# Allegro board RK3588_Template_LP4XD200P232SD8_41R0X41R0_2133MHz_H1R0_V11_20220216.brd (continued)
## Routing (per net, layer and track width the routed paths; a pad name or vN(x,y) marks a point on that pad's centre or on a via; arc(x,y) is an arc through that point) (continued)
VCC1V8_PMU_DDR_S3: length 46.2
  TOP w0.104: v2(88.01,114.05) 88.14,114.05 88.65,113.54 R2211.1 ; v1(99.57,111) v1(98.93,111) 98.15,111 R2210.1 98.06,111.63 v1(98.93,111.63) v1(99.57,111.63)
  TOP w0.254: v1(64.49,33.88) U3801.F1 ; U3801.F12 64.82,24.46 v1(64.69,24.33) ; v1(64.55,26.78) U3801.G9 ; U3800.F12 84.34,53.4 v1(84.67,53.08) ; U3800.G9 82.31,53.12 v1(82.36,53.12) ; v1(58.67,35.41) 58.67,35.2 57.99,34.52 57.99,34.34 57.96,34.31 57.96,33.85 U3801.U1 ; v1(82.26,46.58) 81.94,46.9 U3800.T9 ; U3801.T4 57.92,30.75 v1(57.92,30.74) ; U3800.T4 v1(78.33,46.51) ; v1(84.68,45.92) U3800.U12 ; U3800.U1 75.22,45.94 v1(75.2,45.94) ; v1(57.66,23.88) 57.63,23.9 57.63,24.71 U3801.U12 ; v1(50.01,49.33) U1000.N28 ; U3801.G4 v1(63.83,30.81) ; v1(50.01,51.28) U1000.R27 ; U3800.G4 v1(78.25,53.07) ; U3801.T9 v1(57.94,26.77) ; U3800.F1 v1(75.22,53.72)
  TOP w0.381: v1(98.93,111) v1(98.93,111.63)
  L3-POWER1 w0.104: 102.23,79.5 v2(102.23,79.63)
  L6-S2 w0.089: 49.66,50.42 49.78,50.29 49.78,50.18 49.71,50.11 49.71,49.73 49.66,49.69 v1(50.01,49.33) 50.04,49.35 50.04,49.56 50.32,49.85 50.32,50.11 50.04,50.39 50.04,50.67
  L6-S2 w0.178: 46.33,50.14 46.53,50.34 49.21,50.34 49.21,50.35 49.33,50.35 49.42,50.44 49.42,50.52 49.56,50.65 49.64,50.65 49.66,50.67
  L6-S2 w0.381: 46.33,50.14 44.09,50.14 43.48,50.76 42.84,50.76 42.66,50.94 38.73,50.94
  BOTTOM w0.089: C1107.1 49.65,50.2 49.69,50.17 49.69,49.65 v1(50.01,49.33)
  BOTTOM w0.104: v2(88.01,114.05) 88.14,113.92 88.14,113.54
  BOTTOM w0.254: C3852.1 58.52,35.25 v1(58.67,35.41) ; C3849.1 58.17,26.54 v1(57.94,26.77) ; C3847.1 63.76,30.74 v1(63.83,30.81) ; C3800.1 85.09,45.92 v1(84.68,45.92) ; C1107.1 49.65,50.92 v1(50.01,51.28) 50.02,51.28 C1112.1 ; C3805.1 81.86,46.58 v1(82.26,46.58) ; v1(64.55,26.78) 64.67,26.9 C3851.1 ; C3808.1 82.27,53.12 v1(82.36,53.12) ; v1(84.67,53.08) 84.71,53.08 84.85,53.22 C3803.1 ; C3807.1 78.33,46.61 v1(78.33,46.51) ; v1(57.92,30.74) 57.92,30.43 C3850.1 ; v1(78.25,53.07) 78.22,53.03 78.22,52.67 C3802.1 ; C3806.1 v1(75.22,53.72) ; C3853.1 64.69,24.63 v1(64.69,24.33) ; C3804.1 75.16,45.97 v1(75.2,45.94) ; C3845.1 57.97,23.56 v1(57.66,23.88) ; C3848.1 64.67,34.06 v1(64.49,33.88)
  BOTTOM w0.381: C3846.1 65.02,24 v1(64.69,24.33) ; C3803.1 85.3,53.22 85.43,53.34 86.42,53.34 C3801.1
  vias: v1(88.14,79.12) v1(88.14,78.49) v1(88.77,79.12) v1(88.77,78.49) v2(87.25,114.05) v2(87.25,113.28) v2(88.01,113.28) v2(101.47,79.63) v2(101.47,78.87) v2(102.23,78.87)
VCC4V0_SYS: length 29.8
  TOP w0.089: 94.61,95.83 94.58,95.8 ; v2(87.88,94.84) v2(87.88,95.5) 87.28,95.5 87.28,95.5 v2(87.23,95.5) ; v2(87.88,102.49) 88.03,102.63 U2200.34
  TOP w0.203: U2301.E2 U2301.D2 U2301.D1 ; U2301.E2 36.92,13.08 37.21,13.08 37.34,12.95 ; U2301.E2 U2301.E1 ; U2303.D1 U2303.D2 U2303.E2 ; U2303.D1 70.78,79.39 70.89,79.5 ; U2303.D1 U2303.E1 ; 37.3,12.74 U2301.E1 ; U2301.E1 U2301.D1 ; U2301.E1 36.87,12.36 ; U2301.D1 36.47,12.34 ; U2200.33 88.66,103.11 88.52,103.25 ; 46.99,13.08 46.86,13.08 46.68,13.26 U2300.E2 ; U2300.E1 46.52,12.48 ; U2300.E1 U2300.E2 ; U2300.E1 U2300.D1 ; U2300.E1 46.83,12.86 ; U2300.D1 46.12,12.47 ; U2300.D1 U2300.D2 U2300.E2 ; U2200.28 90.41,103.19 v2(90.55,103.33) 90.76,103.12 U2200.27 ; U2200.22 92.51,103.18 v2(92.71,103.38) 92.86,103.22 U2200.21 ; 88.31,95.04 U2200.52 88.01,95.63 v2(87.88,95.5) ; 95.06,96.33 U2200.1 94.61,95.83 ; U2303.E1 70.85,79.79 70.89,79.76 ; U2303.E1 U2303.E2 ; U2303.E1 70.48,80.3 70.45,80.33 70.08,79.96 U2303.E2 ; U2200.53 88.66,95.14 ; U2200.34 88.31,103.2 88.27,103.25 ; v2(92.51,94.16) v2(92.51,94.81) U2200.64 ; U2200.44 87.06,98.78 v2(86.92,98.92) 87.13,99.13 U2200.43 ; U2200.54 89.01,95.14 ; v2(95.66,98.43) U2200.7
  TOP w0.254: v2(87.23,94.85) v2(87.23,95.5)
  TOP w0.381: v2(90.55,103.33) v2(90.55,103.99) v2(90.55,104.64) ; v2(86.92,98.92) v2(86.26,98.92) v2(85.61,98.92) ; v2(93.98,104.01) 93.52,104.01 v2(93.27,103.76) 92.89,103.38 v2(92.71,103.38) ; v2(96.32,98.43) v2(95.66,98.43)
  BOTTOM w0.104: v2(87.88,102.49) v2(87.88,103.14)
  vias: v1(108.33,115.57) v1(110.37,75.81) v1(112.9,118.11) v1(114.17,121.16) v1(114.81,121.16) v1(115.44,121.16) v1(116.08,121.16) v1(116.71,121.16) v2(38.16,11.88) v2(38.16,11.11) v2(38.16,10.35) v2(38.16,9.59) v2(38.16,8.83) v2(38.16,8.07) v2(38.93,11.88) v2(38.93,11.11) v2(38.93,10.35) v2(38.93,9.59) v2(38.93,8.83) v2(38.93,8.07) v2(47.82,12) v2(47.82,11.24) v2(47.82,10.48) v2(47.82,9.72) v2(47.82,8.96) v2(47.82,8.19) v2(48.58,12) v2(48.58,11.24) v2(48.58,10.48) v2(48.58,9.72) v2(48.58,8.96) v2(48.58,8.19) v2(70.45,81.85) v2(70.45,81.09) v2(71.21,81.85) v2(71.21,81.09) v2(71.21,80.33) v2(71.97,81.85) v2(71.97,81.09) v2(71.97,80.33) v2(72.73,81.85) v2(72.73,81.09) v2(72.73,80.33) v2(83.44,120.65) v2(83.44,119.89) v2(84.2,120.65) v2(84.2,119.89) v2(84.96,120.65) v2(84.96,119.89) v2(85.72,120.65) v2(85.72,119.89) v2(87.22,103.14) v2(87.22,102.49) v2(95.5,96.27) v2(95.5,95.61) v2(104.9,104.27) v2(104.9,103.5) v2(104.9,102.74) v2(105.66,104.27) v2(105.66,103.5) v2(105.66,102.74) v2(106.43,104.27) v2(106.43,103.5) v2(106.43,102.74)
VCC_1V1_NLDO_S3: length 9.8
  TOP w0.203: U2200.9 95.2,99.13 95.24,99.18 95.38,99.18 95.4,99.19 95.63,99.19 95.76,99.31 v1(95.79,99.31) ; U2200.13 95.13,100.53 95.53,100.93 v1(95.76,100.93)
  BOTTOM w0.254: v2(101.73,104.27) 101.73,105.03 102.74,106.04 C2320.1 R2305.1
  BOTTOM w0.508: v1(95.76,100.93) 95.64,100.93 C2263.1 C2270.1 95.45,99.31 v1(95.79,99.31)
  vias: v2(100.97,104.27) v2(100.97,103.51) v2(101.73,103.51) v2(102.49,104.27) v2(102.49,103.51)
VCC_1V8_S0: length 52.2
  TOP w0.089: 63.99,56.8 U1000.AD6
  TOP w0.152: 90.55,94.36 90.3,94.62 90.3,95.1 90.41,95.22 U2200.58
  TOP w0.254: v1(40.64,25.02) 41.02,25.02 41.28,25.28 R1903.1 R1904.1 ; v1(54.57,45.43) U1000.G20 v1(54.57,46.08) ; v1(63.66,56.48) U1000.AD7 v1(63.66,57.13) 63.99,56.8 v1(63.66,56.48) ; v1(63.66,56.48) U1000.AC7 v1(63.66,55.83) 63.99,56.15 U1000.AC6 v1(63.67,56.48) ; v1(54.57,46.08) U1000.H20 ; v1(54.57,46.08) 54.24,46.4 U1000.H21 ; U1000.AJ19 v1(55.22,60.38) U1000.AJ20 ; U1000.Y26 50.99,54.2 v1(51.32,53.88) U1000.W25 ; U1000.Y26 51.14,54.35 51.14,54.71 U1000.AA26 U1000.AB26 v1(51.31,55.83) U1000.AC25 v1(51.96,56.48) ; U1000.Y26 v1(50.67,53.88) ; U1000.AA7 v1(63.66,55.18)
  TOP w0.381: C2254.1 90.57,91.87 90.57,92.29 90.55,92.31 90.55,94.36 ; v2(91.35,85.6) v2(91.35,86.36)
  TOP w0.508: v2(91.35,86.36) 91.35,89.59 91.34,89.59 91.34,90.2 91.38,90.24 91.38,91.29 90.98,91.69 90.75,91.69 C2254.1
  L3-POWER1 w0.089: 53.59,50.93 53.59,50.93 53.59,51.39 53.39,51.59 52.98,51.59 ; 51.69,52.2 51.69,52.09 51.66,52.06 51.66,51.8 51.84,51.62 52.14,51.62 52.2,51.56 ; 51.05,52.96 51.05,53.47 50.93,53.59
  L6-S2 w0.508: v2(91.35,85.6) 91.17,85.42 88.92,85.42 88.86,85.36 82.94,85.36 81.91,84.33 73.15,84.33
  BOTTOM w0.089: v1(63.66,56.48) 63.67,56.48 ; C1909.1 51.62,56.13 v1(51.32,55.83) 51.18,55.69 C1617.1 ; C1732.1 63.99,56.8 ; C1731.1 63.99,57.45 ; v1(63.66,55.18) 63.32,54.83 C1301.1 ; v1(54.57,45.43) 54.58,45.43 ; v1(63.66,57.13) 63.67,57.13 ; 51.32,54 v1(51.32,53.88) ; v1(63.66,55.83) 63.72,55.83
  BOTTOM w0.203: 50.67,53.88 C1621.1 51.32,54
  BOTTOM w0.254: C1903.1 51.7,56.74 v1(51.97,56.48) 51.82,56.33 C1909.1 ; C1503.1 50.34,53.55 v1(50.67,53.88) v1(51.32,53.88) ; 54.58,45.43 C1502.1 54.82,45.77 54.57,46.02 ; C1613.1 55.44,60.6 v1(55.22,60.38) 54.99,60.6 54.89,60.6 54.82,60.68 54.78,60.68 54.78,60.68 C1605.1 ; v1(54.57,46.08) 54.59,46.08 54.91,46.39 54.91,46.4 54.9,46.41 C1907.1
  BOTTOM w0.381: v1(54.57,46.08) 54.57,46.02
  vias: v1(33.27,21.21) v1(33.27,20.57) v1(33.91,21.21) v1(33.91,20.57) v1(90.93,69.09) v1(91.57,69.09)
VCC_1V8_S3: length 63.1
  TOP w0.152: 92.3,104.75 91.56,104.01 91.56,103.24 91.46,103.15 U2200.25 ; U4000.N4 U4000.M4 ; U4000.N4 U4000.P3 ; U4000.N4 8.18,56.45 U4000.P5 ; v1(12.95,55.28) 12.95,55.28 13.39,55.72 U4000.C6
  TOP w0.203: 92.3,104.75 92.3,108.48 91.82,108.97 91.69,108.97
  TOP w0.254: v1(50.68,53.21) 50.69,53.2 U1000.V26 ; U4000.M4 9.39,56.72 v1(9.42,56.69) ; U4000.P5 7.57,56.22 v1(7.47,56.11) ; U4000.P3 7.67,57.22 v1(7.47,57.42)
  L3-POWER1 w0.089: 49.54,54.14 49.46,54.22 49.27,54.22 49.15,54.1 ; 49.54,54.14 49.54,54.27 49.67,54.4 49.67,54.66 49.66,54.67 49.66,54.86 ; 49.54,54.14 49.67,54.01 49.67,53.75 49.66,53.73 49.66,53.59 49.71,53.54 ; 49.71,53.54 49.24,53.54 49.15,53.63 49.15,53.66 49.06,53.75 49.06,54.01 49.15,54.1 49.15,54.1 ; 49.71,53.54 50.14,53.54 50.47,53.21 v1(50.68,53.21) ; 49.66,54.86 49.66,55.03 49.67,55.05 49.67,55.31 49.66,55.32 49.66,55.37 49.28,55.75 49.15,55.63 49.15,55.4 49.06,55.31 49.06,55.05 49.15,54.96 49.15,54.86 ; 49.66,54.86 49.15,54.86 ; 49.15,54.86 49.15,54.75 49.06,54.66 49.06,54.4 49.15,54.31 49.15,54.1
  L3-POWER1 w0.254: 49.28,55.75 49.02,56.01 47.88,56.01 47.75,56.13 47.63,56.13 47.58,56.09 47.25,56.09 47.2,56.13 46.98,56.13 46.93,56.09 46.6,56.09 46.37,56.32 46.37,56.5 45.72,57.15 45.59,57.15 44.45,58.29 44.45,59.31 41.4,62.36 41.4,72.01
  L4-GND2 w0.203: 39.21,103.63 38.66,103.63
  BOTTOM w0.203: C4001.1 9.91,58.33 R4002.1 ; v1(16,48.82) 16.24,48.82 R4300.1 ; C4300.1 5.35,50.08 4.43,49.17 R4301.1 4.43,48.45 v1(4.37,48.39)
  BOTTOM w0.254: C4004.1 7.41,57.47 v1(7.47,57.42) ; C1300.1 50.64,53.2 50.67,53.2 50.68,53.21 v1(50.68,53.21)
  BOTTOM w0.381: 9.06,56.78 9.04,56.8 C4001.1 8.9,57.59 C4003.1 7.64,57.59 v1(7.47,57.42) ; 9.06,56.78 R4000.1 ; 9.06,56.78 9.15,56.69 v1(9.42,56.69) ; v1(7.47,56.11) 7.65,56.11 C4002.1 ; v1(12.95,55.28) 12.95,55.28 13.11,55.44 C4000.1 13.78,55.44 R4001.1 ; v1(94.39,102.39) 94.55,102.55 R2214.1
  BOTTOM w0.508: C4004.1 6.29,57.47 5.35,56.53 C4301.1 C4300.1 5.47,50.42 6.48,50.42 6.6,50.55 U4300.8
  vias: v1(71.2,115.95) v1(71.2,115.4) v1(71.2,114.85) v1(71.75,115.95) v1(71.75,115.4) v1(71.76,114.81) v1(72.39,115.95) v1(72.39,115.4) v1(72.39,114.81)
VCC_1V8_S3_PLDO6: length 9.6
  TOP w0.203: 94.49,103.76 94.21,103.48 93.63,103.48 93.46,103.31 93.45,103.31 93.21,103.07 U2200.20
  TOP w0.381: R2210.2 97.21,108.79 C2256.1 96.85,108.03 96.14,107.31 96.14,107.03 96.13,107.02 96.13,106.59 96.14,106.58 96.14,104.78 95.84,104.48 95.33,104.48 94.62,103.76 94.49,103.76
VCC_2V0_PLDO_S3: length 7.7
  TOP w0.152: 82.8,100.33 82.91,100.33 83.06,100.48 83.06,100.97 83.22,101.13 86.08,101.13 86.23,100.98 86.23,100.71 87.11,99.83 U2200.41 ; U2200.59 v2(90.76,94.91)
  BOTTOM w0.381: C2252.1 90.76,95.73 v2(90.76,94.91)
  vias: v2(77.06,101.09) v2(77.06,100.44) v2(77.72,101.09) v2(77.72,100.44) v2(78.38,101.09) v2(78.38,100.44) v2(79.14,101.09) v2(79.14,100.44)
VCC_3V3_S0: length 4.8
  TOP w0.254: U1000.W26 v1(51.31,53.23) ; U1000.AC26 v1(51.31,56.48)
  L3-POWER1 w0.089: 50.34,58.72 50.34,60.02 50.29,60.07 ; 50.42,57.4 50.42,57.32 50.36,57.26 50.36,57 50.42,56.94 50.42,56.9 ; 50.36,61.75 50.36,61.55 50.42,61.49 50.42,61.22 50.36,61.16 50.36,60.9 50.42,60.84 50.42,60.83
  BOTTOM w0.254: v1(51.32,53.23) 51.32,53.09 C1902.1 ; C1908.1 51.08,56.71 v1(51.32,56.48)
  vias: v1(44.28,88.14) v1(44.83,88.14) v1(67.37,87.25) v1(68.07,87.88) v1(70.1,88.01) v1(108.79,80.66) v1(108.79,80.1) v1(109.43,80.66) v1(109.43,80.1) v1(109.86,63.12) v1(109.86,62.23) v1(110.49,63.12) v1(110.49,62.23)
VCC_3V3_S3: length 29.6
  TOP w0.152: U2200.5 95.05,97.73 96.39,96.39 99.19,96.39
  TOP w0.203: R2302.1 v1(41.71,12.5)
  TOP w0.254: U4000.J10 10.45,54.18 v1(10.43,54.2) 10.41,54.22 U4000.K9 ; U1000.P28 v1(50.02,49.98) ; C2237.1 100.2,97.16 99.44,96.39 99.19,96.39 ; U4000.E6 v1(12.04,55.72) 11.95,55.8 U4000.F5
  TOP w0.381: v1(12.04,55.72) 12.04,55.6 v1(11.3,54.86) 11.3,54.84 10.68,54.22 10.44,54.22 v1(10.43,54.2)
  L3-POWER1 w0.089: 48.85,49.66 48.85,49.65 48.58,49.65 48.58,49.66 48.39,49.66 ; 48.51,49.02 48.58,49.02 48.59,49.02 48.84,49.02 48.85,49.02 48.9,49.02 49.02,49.15 49.02,49.2 49.02,49.2 49.02,49.43 ; 49.02,49.53 49.02,49.66 ; 49.02,49.66 49.02,49.78 49.04,49.8 49.04,50.06 49.06,50.07 49.06,50.11 49.24,50.29 49.53,50.29 49.78,50.04 50.04,50.04 50.04,50 v1(50.02,49.98) 49.85,49.98 49.53,49.66 49.28,49.66 ; 49.02,49.66 49.28,49.66 ; 49.02,49.66 48.89,49.66 ; 49.28,49.66 49.26,49.64 49.24,49.64 ; 49.02,49.46 49.02,49.46
  L3-POWER1 w0.102: 49.02,49.43 49.02,49.51
  L3-POWER1 w0.127: 49.02,49.51 49.15,49.64 49.17,49.64 ; 49.17,49.64 49.02,49.78 48.89,49.66 ; 49.17,49.64 49.24,49.64 ; 48.89,49.66 48.85,49.66 ; 48.89,49.66 49.02,49.53 49.02,49.46
  L6-S2 w0.508: v1(33.15,49.66) v1(33.89,49.66)
  L6-S2 w0.762: v1(33.15,49.66) 32.89,49.66 30.1,46.86 23.88,46.86
  BOTTOM w0.203: R1114.1 R1113.1
  BOTTOM w0.254: v1(50.02,49.98) 50.3,50.26 C1113.1
  vias: v1(111.38,116.08) v2(102.76,98.3) v2(102.76,97.64) v2(102.76,96.99) v2(103.5,98.3) v2(103.5,97.64) v2(103.5,96.99) v2(104.16,98.3) v2(104.16,97.64) v2(104.16,96.99)
VCCA_1V8_S0: length 30.3
  TOP w0.203: 91.04,93.73 91.04,94.55 91.22,94.72 91.22,95.09 91.16,95.15 91.16,95.16 91.11,95.2 U2200.60
  TOP w0.254: v1(50.66,47.38) U1000.K27 U1000.L27 v1(50.66,48.68) U1000.M27 50.34,49.03 v1(50.65,49.34) U1000.N27 ; U1000.AG13 v1(59.11,59.08) 58.79,58.75 U1000.AG14 v1(58.46,59.08) ; U1000.AG11 60.74,58.75 60.74,58.75 U1000.AG11 ; U1000.AG11 v1(60.41,59.08) ; U1000.K16 v1(57.8,47.4) ; U1000.G23 v1(52.62,46.08) 52.94,46.4 U1000.H23 ; U1000.U18 v1(56.52,52.58) ; v1(56.51,59.08) U1000.AH18 ; U1000.M12 v1(60.41,49.33)
  TOP w0.381: 92.71,86.87 92.72,86.88 92.72,88.35 92.72,88.35 92.72,89.16 92.61,89.27 92.61,89.27 92.23,89.65 C2253.1 91.95,89.83 91.95,90 91.96,90.01 91.96,92.57 91.04,93.49 91.04,93.73
  L3-POWER1 w0.089: 52.32,49.53 52.2,49.66 51.82,49.66
  L6-S2 w0.089: v1(59.11,59.08) v1(60.41,59.08)
  L6-S2 w0.381: v1(50.67,48.68) 50.67,49.33 v1(50.65,49.34)
  BOTTOM w0.089: 53.19,44.91 53.2,44.9 C1813.1
  BOTTOM w0.254: v1(56.52,52.58) 56.31,52.37 C1109.1 ; 50.67,48.67 51.03,49.04 C1816.1 50.74,49.34 v1(50.65,49.34) 50.96,49.64 C1104.1 ; 50.67,48.67 50.93,48.42 ; 50.67,48.67 v1(50.67,48.68) ; C1501.1 56.8,58.77 56.79,58.78 56.51,59.06 v1(56.51,59.08) ; 52.73,46.08 v1(52.62,46.08) 52.62,46.32 52.2,46.74 51.31,46.74 v1(50.67,47.38) 50.67,47.38 50.8,47.51 50.8,47.54 50.93,47.67 ; 52.73,46.08 C1800.1 53.19,45.62 53.19,44.91 ; 52.73,46.08 53.01,46.36 C1812.1 ; C1808.1 50.93,48.42 ; 50.93,48.42 50.93,47.67 ; v1(57.8,47.4) 57.76,47.4 57.41,47.75 C1217.1 56.9,47.75 56.64,47.49 ; 50.93,47.67 C1804.1 ; C1214.1 60.42,49.33 v1(60.41,49.33)
  vias: v1(91.82,68.45) v1(92.46,68.45) v2(92.66,86.22) v2(93.34,86.23)
VCCA_3V3_S0: length 34.9
  TOP w0.203: U2200.63 92.16,95.19 92.06,95.09 92.06,95 92.06,93.93 92.18,93.81 92.18,93.71
  TOP w0.254: U1000.AJ10 61.39,60.05 v1(61.06,60.38) ; U1000.AE4 v1(64.96,57.13) 64.64,57.45 U1000.AE5
  TOP w0.381: 92.18,93.71 92.46,93.43 92.46,90.79 93.34,89.91 C2257.1
  TOP w0.508: C2257.1 93.78,89.6 94.14,89.24 v1(94.14,87.88) v2(94.14,87.12)
  L3-POWER1 w0.381: v1(61.06,60.38) 61.59,60.91 61.59,61.21
  L6-S2 w0.089: v1(64.96,57.13) 65.15,57.31 65.15,57.53
  L6-S2 w0.762: 87.76,87.12 v2(94.14,87.12) ; 74.42,62.23 89.03,62.23
  BOTTOM w0.254: C1740.1 64.96,56.95 v1(64.96,57.13) 64.97,57.13 C1741.1 ; v1(61.06,60.38) 61.27,60.58 C1410.1
  vias: v2(71.63,85.85) v2(71.63,85.09)
VCCIO_SD_S0: length 7.1
  TOP w0.203: U2200.65 92.86,95.1 93.09,94.88 93.09,94.62
  TOP w0.254: v1(63.66,53.88) 63.47,54.07 U1000.Y7
  TOP w0.381: 93.09,94.62 93.09,93.85 93.03,93.79 93.03,91.12 v2(93.07,91.08) v2(93.54,90.61) 93.78,90.37 C2259.1
  BOTTOM w0.254: C1302.1 v1(63.66,53.88)
VDD2_DDR_S3: length 71.7
  TOP w0.152: 88.33,104.39 88.33,104.26 88.51,104.08 88.81,104.08 88.84,104.04 88.87,104.04 89.71,103.2 U2200.30
  TOP w0.203: C2216.1 87.83,106.1 88.33,105.6 88.33,104.39
  TOP w0.254: v1(60.71,24.38) 60.64,24.38 U3801.N12 60.54,25.02 61.95,25.02 U3801.K12 v1(62.22,24.33) ; U3800.AB4 v1(77.94,42.59) ; U3800.H8 81.14,52.21 80.76,52.59 80.76,53.02 v1(80.81,53.08) U3800.F8 ; v1(63.25,29.97) 63.52,30.25 U3801.H5 ; v1(62.47,31.64) 62.47,31.69 62.22,31.94 U3801.K3 ; U3801.AB9 v1(53.85,27.15) ; U3801.H8 v1(63.85,27.63) ; v1(81.91,42.29) 81.91,42.98 U3800.AB9 ; U3801.U5 v1(57.3,29.98) ; v1(75.21,51.13) U3800.K1 ; U3800.H12 v1(84.66,52.43) ; U3801.N3 v1(59.95,32.27) ; v1(76.81,51.12) 76.84,51.1 76.84,51.1 U3800.K3 ; U3800.U8 81.04,46.36 v1(80.75,46.36) 79.76,46.36 79.32,45.92 v1(79.07,45.92) U3800.U5 ; U3800.F5 v1(78.42,53.73) ; U3801.F5 65.33,29.85 v1(65.53,29.85) ; U3801.H1 63.52,33.93 v1(63.63,34.04) ; v1(57.69,28.51) 57.67,28.49 U3801.U8 ; U3800.R8 80.84,47.55 v1(80.75,47.65) 79.22,47.65 v1(79.12,47.75) 78.92,47.55 U3800.R5 ; v1(74.55,52.45) 74.9,52.1 U3800.H1 ; U3800.K10 v1(83.03,50.52) 83.34,50.21 83.34,49.45 v1(83.1,49.21) U3800.N10 ; v1(62.5,33.84) U3801.K1 ; v1(59.2,29.97) 58.97,30.2 U3801.R5 ; v1(74.42,47.5) 74.48,47.55 U3800.R1 ; v1(75.91,48.48) U3800.N1 ; v1(53.98,31.15) U3801.AB4 ; v1(84.66,51.13) U3800.K12 84.34,50.24 84.3,50.21 84.3,49.56 v1(84.67,49.19) U3800.N12 ; v1(59.36,24.38) 59.35,24.38 U3801.R12 ; v1(58.81,27.58) 58.97,27.74 U3801.R8 ; U3801.N10 v1(60.6,26.69) 61.89,26.69 U3801.K10 v1(62.55,26.03) ; v1(76.77,48.48) U3800.N3 ; v1(60.07,33.91) 60.27,33.71 U3801.N1 ; U3800.H5 v1(79.07,51.77) ; v1(59.08,33.99) 59.08,33.96 58.97,33.85 U3801.R1 ; U3801.F8 v1(64.53,27.67) ; v1(81.97,57.28) 81.94,57.25 U3800.A9 ; U3801.H12 v1(63.52,24.33) ; U3801.A9 v1(68.5,27.15) ; U3800.A4 v1(77.6,56.31) ; U3800.R12 v1(84.62,47.84) ; U3801.A4 v1(68.4,31.48)
  BOTTOM w0.254: v1(63.63,34.04) 63.67,34.08 64.01,34.08 R3816.1 ; v1(60.71,24.38) 60.71,24.7 C3855.1 ; C3855.1 61.47,25.65 60.6,26.52 v1(60.6,26.69) ; C3855.1 61.98,25.46 v1(62.55,26.03) ; C3866.1 65.66,29.97 v1(65.53,29.85) ; v1(74.42,47.5) 74.55,47.5 74.68,47.37 R3807.2 ; v1(80.75,47.65) 80.24,47.65 80.01,47.88 80.01,48.35 C3809.1 79.5,48.33 79.5,48.13 v1(79.12,47.75) ; C3814.1 75.44,50.9 v1(75.21,51.13) ; C3818.1 77.64,56.26 v1(77.6,56.31) ; C3858.1 59.2,27.97 v1(58.81,27.58) ; v1(62.47,31.64) 62.35,31.64 C3859.1 ; v1(53.85,27.15) 53.87,27.15 54.17,26.85 C3857.1 ; v1(63.85,27.63) 63.5,27.97 C3861.1 ; v1(84.62,47.84) 84.77,47.98 85.07,47.98 C3823.1 ; 83.76,49.78 83.76,49.79 v1(83.03,50.52) ; 83.76,49.78 C3811.1 83.76,49.71 83.26,49.21 v1(83.1,49.21) ; 83.76,49.78 83.89,49.66 84.2,49.66 v1(84.67,49.19) ; v1(68.5,27.15) 68.57,27.22 68.94,27.22 C3867.1 ; v1(57.69,28.51) 57.85,28.66 C3856.1 57.85,29.43 v1(57.3,29.98) ; v1(59.36,24.38) 59.36,24.38 C3864.1 ; v1(79.07,51.77) 79.28,51.56 C3812.1 80.01,51.56 ; v1(75.91,48.48) 75.9,48.47 75.9,48.09 C3820.1 ; C3813.1 82.52,57.75 82.04,57.28 v1(81.97,57.28) ; v1(68.4,31.48) 68.44,31.52 C3863.1 ; C3810.1 78.04,42.49 v1(77.94,42.59) ; C3817.1 76.84,51.07 76.81,51.1 v1(76.81,51.12) ; v1(63.52,24.33) 63.58,24.27 C3862.1 ; C3865.1 62.31,24.24 v1(62.22,24.33) ; C3822.1 81.89,42.77 81.89,42.31 v1(81.91,42.29) ; C3819.1 84.86,50.93 v1(84.66,51.13) ; R3817.2 59.08,33.84 v1(59.08,33.99) ; v1(63.25,29.97) 63.25,29.15 C3854.1 ; C3815.1 84.81,52.57 v1(84.66,52.43) ; v1(59.2,29.97) 59.46,30.23 C3868.1 ; C3860.1 54.23,30.9 v1(53.98,31.15) ; R3806.1 v1(74.55,52.45)
  BOTTOM w0.305: v1(80.75,46.36) 79.89,46.36 C3821.1 79.63,46.36 79.2,45.92 v1(79.07,45.92) ; v1(80.81,53.08) 81.13,53.39 C3816.1
  vias: v1(83.57,37.85) v1(84.2,37.85) v1(84.2,37.21) v1(84.2,36.58) v1(84.84,37.85) v1(84.84,37.21) v1(84.84,36.58) v1(85.47,37.85) v2(88.54,112.03) v2(88.54,111.38) v2(88.54,110.73) v2(88.54,110.07) v2(88.54,109.33) v2(88.54,108.68) v2(89.19,112.03) v2(89.19,111.38) v2(89.19,110.73) v2(89.19,110.07) v2(89.19,109.33) v2(89.19,108.68)
VDD_0V75_S0: length 82.8
  TOP w0.203: U2200.8 95.28,98.78 95.37,98.87 95.51,98.87 95.52,98.89 96.57,98.89 96.9,98.55 97.79,98.55 97.81,98.57 98.26,98.57 C2271.1
  TOP w0.254: U1000.AD3 v1(66.26,57.13) ; U1000.AG20 54.89,58.75 v1(55.22,59.08) U1000.AG19 ; v1(55.22,52.58) U1000.V20 ; U1000.AA25 v1(51.96,55.18) U1000.AB25 ; U1000.G24 v1(51.97,46.08) 52.29,46.4 U1000.H24
  TOP w0.508: v2(100.2,98.93) v2(99.44,98.93)
  L3-POWER1 w0.104: v1(49.15,24) v1(48.51,24)
  L3-POWER1 w0.762: 51.44,85.09 51.44,74.17 53.21,72.39
  L4-GND2 w0.104: v1(91.95,59.44) v1(91.31,59.44)
  L6-S2 w0.381: v1(66.26,57.13) 67.29,57.13 71.37,61.21
  L6-S2 w0.762: 89.03,59.44 88.52,59.44 86.74,61.21 71.37,61.21 ; v2(100.2,98.93) v2(99.44,98.93)
  BOTTOM w0.254: C1616.1 54.85,59.44 v1(55.22,59.08) ; C1609.1 55.62,58.67 v1(55.22,59.08) ; v1(55.22,59.08) 55.19,59.06 55.07,59.06 54.83,58.81 C1601.1 ; v1(55.22,59.08) 55.44,59.3 C1602.1 ; C1802.1 51.57,45.61 51.56,45.6 51.56,44.95 50.6,43.99 ; C1802.1 51.56,45.73 51.56,46.34 C1814.1 51.69,46.35 v1(51.97,46.08) 51.63,45.75 51.6,45.75 51.57,45.72 C1802.1 ; v1(51.97,55.18) 51.68,54.89 C1615.1 ; v1(55.22,52.58) 55.39,52.4 C1106.1 ; v1(66.26,57.13) 66.28,57.15 C1505.1 C1105.1 C1619.1
  BOTTOM w0.508: v1(49.15,24) v1(48.51,24) 48.13,24 45.34,26.8 45.34,31.37 46.42,32.45 46.42,35.5 51.12,40.2 C1815.1 C1803.1 51.12,42.22 50.6,42.75 50.6,43.99
VDD_0V75_S3: length 9.1
  TOP w0.203: C2262.1 96.77,102.96 96.77,102.3 96.43,101.96 96.13,101.96 95.05,100.88 U2200.14
  TOP w0.254: U1000.P27 v1(50.65,49.99)
  TOP w0.381: C2262.1 97.34,103.63 97.85,104.14 v2(99.57,104.14) v2(100.22,104.14)
  BOTTOM w0.254: C1111.1 51.08,50.42 50.93,50.27 ; 50.93,50.27 v1(50.65,49.99) ; 50.93,50.27 C1110.1
VDD_CPU_BIG0_S0: length 70.6
  TOP w0.203: R2300.2 v1(41.71,14.54) ; C2304.2 43.59,14.25 44.73,14.25 U2300.A4
  TOP w0.254: U1000.R17 56.84,50.95 v1(56.52,50.63) U1000.P17 ; U1000.R17 U1000.T16 ; U1000.R17 v1(57.16,50.63) ; U1000.R17 v1(56.52,51.28) 56.84,51.6 U1000.T17 ; U1000.T16 v1(57.81,51.28) 57.49,50.95 U1000.R16 ; U1000.T16 57.49,51.6 v1(57.81,51.93) ; U1000.T16 57.18,51.91 57.15,51.91 U1000.T17 ; U1000.R16 v1(57.81,50.63) 57.49,50.3 U1000.P16 ; U1000.R16 U1000.T17 ; U1000.R16 57.49,50.95 v1(57.16,50.63) ; U1000.P17 U1000.N16 ; U1000.P17 56.84,50.3 v1(57.16,50.63) ; U1000.P17 56.84,50.3 v1(56.52,49.98) U1000.N17 ; U1000.N16 v1(57.81,49.33) U1000.M16 U1000.N17 ; U1000.N16 57.49,49.65 v1(57.81,49.98) U1000.P16 ; U1000.N16 57.49,49.65 U1000.M17 56.84,49 v1(56.52,49.33) 56.84,49.65 U1000.N17 ; v1(55.22,49.98) U1000.N19 v1(55.22,49.33) U1000.M19 ; v1(57.16,50.63) U1000.P16 ; U1000.P16 U1000.N17 ; C2304.1 R2300.1 42.04,15.44 42.04,15.88 v1(42.29,16.13) ; C2304.2 R2300.2 ; U1000.T17 v1(56.52,51.93)
  L4-GND2 w0.089: 54.99,35.81 56.21,37.03 57.02,37.03 57.51,37.51 57.51,41.25 58.16,41.9 58.16,42.96 58.17,42.97 58.17,43.34 58.15,43.35 58.15,43.61 58.17,43.62 58.17,43.99 58.15,44 58.15,44.21 58.12,44.24 58.12,44.26 57.94,44.44 57.92,44.44 57.89,44.47 57.69,44.47 57.51,44.65 57.51,45.3 57.5,45.56 57.51,46.21 57.51,46.86 57.49,46.87 57.49,47.26 57.49,47.27 57.49,47.52 57.49,47.53 57.49,48.45 57.53,48.49
  L4-GND2 w0.203: v1(41.71,14.54) 42.03,14.22 47.88,14.22 51.69,18.03 51.69,32.51 54.99,35.81
  BOTTOM w0.089: v1(55.22,49.98) 55.22,49.97 ; 55.53,49.65 C1023.1
  BOTTOM w0.254: 55.5,48.89 C1010.1 55.5,49.04 v1(55.22,49.33) 55.53,49.65 C1023.1 ; 55.53,49.65 55.21,49.97
  vias: v1(43.18,16.13) v2(46.42,23.05) v2(46.42,22.29) v2(46.42,21.53) v2(46.42,20.77) v2(46.42,20) v2(47.18,23.05) v2(47.18,22.29) v2(47.18,21.53) v2(47.18,20.77) v2(47.18,20) v2(47.94,23.05) v2(47.94,22.29) v2(47.94,21.53) v2(47.94,20.77) v2(47.94,20)
VDD_CPU_BIG1_MEM_S0: length 5.5
  TOP w0.254: v1(53.92,49.33) U1000.M21 v1(54.56,49.33) U1000.N21 v1(53.92,49.33)
  L6-S2 w0.089: 49.78,47.62 49.78,47.58 49.71,47.51 49.71,47.25 49.78,47.17 49.78,47.12 ; 52.32,45.72 52.2,45.85 52.17,45.85 52.09,45.77 51.84,45.77 51.76,45.85 51.69,45.85 51.56,45.72 ; 50.93,46.36 50.86,46.42 50.54,46.42 50.47,46.48 50.42,46.48
  BOTTOM w0.254: v1(53.92,49.33) 54.1,49.52 C1083.1 54.16,49.74 v1(54.56,49.33) 54.56,49.56 C1051.1
  vias: v1(32.13,9.91) v1(32.13,9.27) v1(32.39,40.26) v1(33.02,40.26)
VDD_CPU_BIG1_S0: length 73.8
  TOP w0.203: R2301.2 v1(33.72,15.44) ; C2310.2 34.16,13.84 34.46,14.14 35.06,14.14 U2301.A4 ; 37.34,19.81 v2(37.4,19.88) ; R2301.1 v1(32.13,14.86)
  TOP w0.254: U1000.M24 v1(52.62,49.33) ; U1000.M24 52.29,49 v1(51.97,49.33) 52.29,49.65 U1000.N24 ; U1000.M24 v1(51.97,48.68) U1000.L24 ; U1000.M24 v1(52.62,48.68) ; v1(52.62,49.33) U1000.N23 U1000.P24 ; v1(52.62,49.33) U1000.M23 v1(52.62,48.68) ; v1(52.62,49.33) U1000.N24 ; U1000.P24 52.29,50.3 v1(52.62,50.63) ; U1000.P24 v1(51.97,50.63) ; U1000.P24 v1(52.62,50.63) ; v1(52.62,48.03) U1000.K24 v1(51.97,48.03) U1000.L24 ; v1(52.62,48.03) U1000.L23 ; v1(52.62,48.03) U1000.K23 v1(53.27,48.03) 52.94,48.35 U1000.L23 ; v1(52.62,48.03) 52.29,48.35 U1000.L24 ; U1000.L23 v1(52.62,48.68) ; U1000.L24 v1(52.62,48.68) ; U1000.N24 U1000.P23 v1(52.62,50.63) ; R2301.2 C2310.2
  TOP w0.381: R2301.1 C2310.1 32.82,12.93 FB2300.1
  L4-GND2 w0.089: 46.63,41.04 47.75,42.16 47.75,44.83 48.04,45.12 48.19,45.12 48.41,45.33 48.41,45.56 48.62,45.77 48.84,45.77 49.06,45.98 49.06,46.21 49.92,47.07 50.14,47.07 50.36,47.28 50.36,47.51 50.42,47.57 50.42,47.75
  L4-GND2 w0.203: 46.63,41.04 40.39,34.8 40.39,25.28 40.27,25.17 40.27,24.87 40.39,24.75 40.39,18.42 39.24,17.27 34.29,17.27 33.72,16.71 v1(33.72,15.44)
  L4-GND2 w0.381: v1(53.27,48.03) v1(52.62,48.03)
  L5-POWER2 w0.381: v1(53.27,48.03) v1(52.62,48.03)
  BOTTOM w0.254: v1(52.62,49.33) 52.44,49.15 C1028.1 52.44,48.85 v1(52.62,48.68) ; v1(52.62,49.33) 52.53,49.42 C1031.1 52.62,50 v1(52.62,50.63) ; v1(52.62,49.33) v1(51.97,49.33) v1(51.97,48.68) ; v1(51.97,48.68) v1(52.62,48.68) ; v1(51.97,48.68) v1(51.97,48.03) C1027.1 52.29,47.7 v1(52.62,48.03) ; v1(52.62,48.68) v1(52.62,48.03) ; v1(52.62,50.63) 52.06,50.63 ; v1(52.62,50.63) 52.62,50.93 52.58,50.97 C1029.1 52.53,51.09 52.06,50.63 ; 52.06,50.63 v1(51.97,50.63) ; v1(52.62,48.03) 52.62,48.03 C1025.1 52.94,47.7 v1(53.27,48.03) ; C1030.1 53.84,48.51 53.35,48.03 v1(53.27,48.03) ; C1024.1 v1(53.27,48.03)